# KiCad board mtr_led_system_map.kicad_pcb (continued)
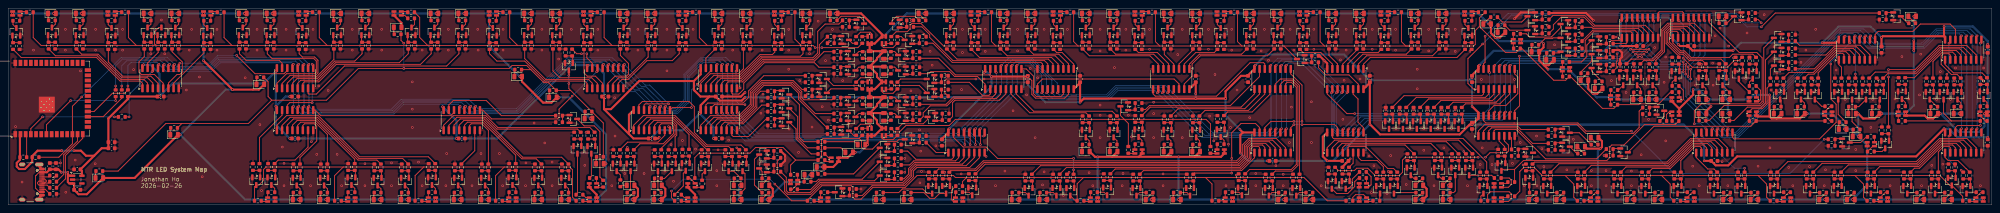
[diagram p0: board, top side]
## Routing (per net, layer and track width the routed paths; a pad name or vN(x,y) marks a point on that pad's centre or on a via; arc(x,y) is an arc through that point) (continued)
/S4/LED_4: length 2.1
  Top w0.2: R178.1 196.12,44.36 Q27.3
/S4/LED_5: length 8.2
  Top w0.2: R179.1 203.83,46.3 208.3,46.3 209.44,45.16 Q28.3
/S4/LED_6: length 2.1
  Top w0.2: Q29.3 206.56,39.67 207.5,39.67
/S4/LED_7: length 2.1
  Top w0.2: 209.1,37.62 208.16,37.62 Q25.3
/S4/LED_8: length 2.1
  Top w0.2: Q26.3 208.16,33.82 R182.1
/S5/LED 1/IN: length 29.5
  Top w0.2: R323.1 184.9,31.7 181.2,28 181.2,26.4 179.8,25 171.2,25 170.72,24.52 U7.15
/S5/LED 2/IN: length 34.1
  Top w0.2: U7.1 169.46,19.55 171.8,21.9 178.8,21.9 181.6,24.7 181.6,27.8 184.3,30.5 192.1,30.5 194.3,28.3 R321.1
/S5/LED 3/IN: length 41.6
  Top w0.2: R319.1 201.58,25.8 194.7,25.8 194.2,26.3 194.2,27.8 191.9,30.1 184.5,30.1 182,27.6 182,24.5 179,21.5 172.7,21.5 170.72,19.52 U7.2
/S5/LED 4/IN: length 41.3
  Top w0.2: R313.1 197.5,22.4 193.8,26.1 193.8,27.6 191.7,29.7 184.7,29.7 182.4,27.4 182.4,24.3 179.2,21.1 173.5,21.1 172,19.59 U7.3
/S5/LED 5/IN: length 39.4
  Top w0.2: U7.4 173.27,19.56 174.4,20.7 179.4,20.7 182.8,24.1 182.8,27.2 184.9,29.3 191.5,29.3 193.4,27.4 193.4,25.9 200.3,19 R315.1
/S5/LED 6/IN: length 17.8
  Top w0.2: U7.5 174.53,19.53 175.3,20.3 179.6,20.3 183.2,23.9 183.2,27 184.1,27.9 R317.1
/S5/LED 7/IN: length 13.3
  Top w0.2: R309.1 184.4,24.5 179.8,19.9 176.2,19.9 175.81,19.5 U7.6
/S5/LED 8/IN: length 11.9
  Top w0.2: R311.1 185.5,21.1 181.2,16.8 177.4,16.8 177.08,17.12 U7.7
/S5/LED_2: length 7.6
  Top w0.2: Q39.3 201.31,28.47 R185.1
/S5/LED_3: length 2.1
  Top w0.2: R190.1 208.16,26.32 Q38.3
/S5/LED_4: length 2.1
  Top w0.2: R191.1 208.16,22.42 Q35.3
/S5/LED_5: length 2.2
  Top w0.2: Q36.3 206.86,17.07 207.5,17.07
/S5/LED_6: length 16.6
  Top w0.2: Q37.3 193.6,24.64 193.6,16.6 194.7,15.5 R193.1
/S5/LED_7: length 14.1
  Top w0.2: R194.1 195.6,14 193.2,16.4 193.2,21.64 Q33.3
/S5/LED_8: length 11.7
  Top w0.2: Q34.3 192.8,18.64 192.8,16.2 196.5,12.5 R187.1
/S6/LED 1/IN: length 36.4
  Top w0.2: 180.5,13.52 179.33,14.7 171,14.7 167.9,17.8 167.9,24.1 166.6,25.4 155.2,25.4 154.33,24.52 U8.15
/S6/LED 2/IN: length 29.7
  Top w0.2: U8.1 153.06,19.55 155.4,21.9 163.2,21.9 170.8,14.3 176.33,14.3 177.1,13.52
/S6/LED 3/IN: length 22.3
  Top w0.2: U8.2 154.33,19.52 156.3,21.5 163,21.5 170.97,13.52 171.3,13.52
/S6/LED 4/IN: length 18.1
  Top w0.2: U8.3 155.59,19.49 157.2,21.1 162.8,21.1 166.6,17.3 166.6,13.62
/S6/LED 5/IN: length 15.2
  Top w0.2: 163.2,13.52 163.2,16.7 163.6,17.1 163.6,19.7 162.6,20.7 158,20.7 156.87,19.56 U8.4
/S6/LED 6/IN: length 14.3
  Top w0.2: 158.14,18.32 158.14,19.53 158.9,20.3 162.4,20.3 163.2,19.5 163.2,17.3 159.8,13.9 159.8,13.52
/S6/LED 7/IN: length 18.1
  Top w0.2: U8.6 159.41,19.5 159.8,19.9 162.2,19.9 162.8,19.3 162.8,17.5 160.3,15 154.58,15 153.1,13.52
/S6/LED 8/IN: length 13.7
  Top w0.2: 149.7,13.52 151.58,15.4 159,15.4 160.68,17.07 U8.7
/S6/LED_1: length 5.9
  Top w0.2: R156.1 180.3,3.97 180.3,7.66 Q48.3
/S6/LED_2: length 3.8
  Top w0.2: R157.1 177.56,8.26 Q47.3
/S6/LED_3: length 2.5
  Top w0.2: Q46.3 169.8,7.56 R151.1
/S6/LED_4: length 7
  Top w0.2: Q43.3 165.2,7.76 165.2,4.62 R152.1
/S6/LED_5: length 3.3
  Top w0.2: R160.1 160.64,6.5 Q44.3
/S6/LED_6: length 5.6
  Top w0.2: Q45.3 159,3.82 R161.1
/S6/LED_7: length 5.6
  Top w0.2: R162.1 152.3,3.82 Q41.3
/S6/LED_8: length 2.5
  Top w0.2: Q42.3 149.8,7.36 R163.1
/S7/DATA_IN: length 35.9
  Top w0.2: U10.9 75.12,23.27 76.5,21.9 108.3,21.9 109.09,22.69 U9.14
/S7/LED 1/IN: length 29.4
  Top w0.2: U9.15 107.83,24.52 108.9,25.6 117,25.6 120.7,21.9 R355.1
/S7/LED 2/IN: length 40.8
  Top w0.2: R353.1 142.33,19 119.8,19 116.9,21.9 108.9,21.9 106.56,19.55 U9.1
/S7/LED 3/IN: length 35.8
  Top w0.2: U9.2 107.83,19.52 109.8,21.5 116.7,21.5 119.6,18.6 139.33,18.6 R351.1
/S7/LED 4/IN: length 34.5
  Top w0.2: R345.1 135.43,11.7 125.9,11.7 116.5,21.1 110.6,21.1 109.09,19.59 U9.3
/S7/LED 5/IN: length 26.3
  Top w0.2: U9.4 110.37,19.56 111.5,20.7 116.3,20.7 125.7,11.3 129.22,11.3 R347.1
/S7/LED 6/IN: length 19.5
  Top w0.2: 124.2,10.12 124.2,12.2 116.1,20.3 112.4,20.3 111.64,19.53 111.64,18.32
/S7/LED 7/IN: length 14.9
  Top w0.2: U9.6 112.91,19.5 113.3,19.9 115.9,19.9 117.5,18.3 R341.1
/S7/LED 8/IN: length 9.7
  Top w0.2: R343.1 114.18,13.3 U9.7
/S7/LED_1: length 19.2
  Top w0.2: Q56.3 140.94,19.4 143.4,19.4 144.8,18 144.8,6.82 R91.1
/S7/LED_2: length 6.1
  Top w0.2: Q55.3 142.7,7.02 R99.1
/S7/LED_3: length 10.2
  Top w0.2: Q54.3 139.3,2.82 R92.1
/S7/LED_4: length 2.1
  Top w0.2: R101.1 137.12,3.94 Q51.3
/S7/LED_5: length 2.1
  Top w0.2: Q52.3 130.53,3.94 R102.1
/S7/LED_6: length 2.1
  Top w0.2: Q53.3 124.22,4.04 R93.1
/S7/LED_7: length 2.1
  Top w0.2: R104.1 117.53,3.94 Q49.3
/S7/LED_8: length 2.1
  Top w0.2: Q50.3 110.83,4.04 R105.1
/S8/LED 1/IN: length 15.4
  Top w0.2: 61.5,10.12 61.5,16.5 67.03,22.02 U10.15
/S8/LED 2/IN: length 45.8
  Top w0.2: 65.75,18.32 65.75,19.55 68.1,21.9 75.9,21.9 86,11.8 102.83,11.8 104.5,10.12
/S8/LED 3/IN: length 37.6
  Top w0.2: R367.1 96.53,11.4 85.8,11.4 75.7,21.5 69,21.5 67.03,19.52 U10.2
/S8/LED 4/IN: length 29.4
  Top w0.2: U10.3 68.29,19.59 69.8,21.1 75.5,21.1 85.6,11 90.22,11 R361.1
/S8/LED 5/IN: length 22
  Top w0.2: 84.8,10.12 84.8,11.2 75.3,20.7 70.7,20.7 69.56,19.56 U10.4
/S8/LED 6/IN: length 17.3
  Top w0.2: U10.5 70.84,19.53 71.6,20.3 75.1,20.3 78.1,17.3 R365.1
/S8/LED 7/IN: length 16
  Top w0.2: R357.1 71.4,11.6 75.5,15.7 75.5,19.3 74.9,19.9 72.5,19.9 72.1,19.5 U10.6
/S8/LED 8/IN: length 14
  Top w0.2: 65.2,10.12 66.07,11 70.2,11 73.38,14.17 U10.7
/S8/LED_2: length 2.1
  Top w0.2: Q63.3 104.53,4.04 R61.1
/S8/LED_3: length 2.1
  Top w0.2: Q62.3 97.93,3.94 R71.1
/S8/LED_4: length 2.1
  Top w0.2: R72.1 91.22,3.94 Q59.3
/S8/LED_5: length 2.1
  Top w0.2: R62.1 84.82,4.04 Q60.3
/S8/LED_6: length 2.1
  Top w0.2: 78.12,3 78.12,3.94 Q61.3
/S8/LED_7: length 2.1
  Top w0.2: Q57.3 71.43,3.94 R75.1
/S8/LED_8: length 2.1
  Top w0.2: R63.1 65.22,4.04 Q58.3
/S9/LED 1/IN: length 9.6
  Top w0.2: v1(474.9,16.9) 475.22,17.22 U11.15 ; R387.1 v1(476.4,9.5)
  Bottom w0.2: v1(474.9,16.9) 474.9,11 v1(476.4,9.5)
/S9/LED 2/IN: length 8.7
  Top w0.2: R385.1 479.12,8.9 479.1,8.9 477.1,10.9 474.7,10.9 473.95,11.64 U11.1
/S9/LED 3/IN: length 9.8
  Top w0.2: U11.2 475.22,14.07 475,14.3 473.6,14.3 472.3,13 R383.1
/S9/LED 4/IN: length 15.2
  Top w0.2: R377.1 466.47,9 467.7,9 473.4,14.7 475.8,14.7 476.5,14 U11.3
/S9/LED 5/IN: length 25.7
  Top w0.2: R379.1 457.97,9.4 467.5,9.4 473.2,15.1 476.7,15.1 477.76,14.03 U11.4
/S9/LED 6/IN: length 35.5
  Top w0.2: U11.5 479.03,14.06 477.6,15.5 473,15.5 467.3,9.8 450.27,9.8 R381.1
/S9/LED 7/IN: length 43.9
  Top w0.2: R373.1 443.88,10.2 467.1,10.2 472.8,15.9 478.5,15.9 480.3,14.09 U11.6
/S9/LED 8/IN: length 54.2
  Top w0.2: R375.1 435.47,10.6 466.9,10.6 472.6,16.3 479.3,16.3 481.57,14.02 U11.7
/S9/LED_2: length 2.5
  Top w0.2: R96.1 479.54,3.1 Q71.3
/S9/LED_3: length 2.5
  Top w0.2: Q70.3 471.74,3 R115.1
/S9/LED_4: length 2.5
  Top w0.2: R116.1 464.94,3 Q67.3
/S9/LED_5: length 2.5
  Top w0.2: Q68.3 456.14,3.1 R97.1
/S9/LED_6: length 2.5
  Top w0.2: Q69.3 447.94,3 R118.1
/S9/LED_7: length 2.5
  Top w0.2: Q65.3 441.14,3 R119.1
/S9/LED_8: length 2.5
  Top w0.2: Q66.3 432.44,3.1 R98.1
/S10/DATA_OUT: length 51.3
  Top w0.2: v1(450.7,39.8) 450.5,40 U25.14 ; U13.9 421.94,16.55 422.3,16.2 443.25,16.2 447.3,20.25 447.3,24.7 446,26 v1(446,34.6)
  Bottom w0.2: v1(446,34.6) 446,35.1 v1(450.7,39.8)
/S10/LED 1/IN: length 15.6
  Top w0.2: v1(414.5,16.9) 414.32,17.07 U13.15 ; R419.1 v1(424.9,9)
  Bottom w0.2: v1(424.9,9) 422.4,9 v1(414.5,16.9)
/S10/LED 2/IN: length 7.8
  Top w0.2: U13.1 413.05,11.64 415.9,8.8 417.42,8.8 R417.1
/S10/LED 3/IN: length 10.6
  Top w0.2: R415.1 409.3,10.9 412.7,14.3 414,14.3 414.32,13.97 U13.2
/S10/LED 4/IN: length 18.4
  Top w0.2: U13.3 415.59,14 414.9,14.7 412.5,14.7 406.7,8.9 402.3,8.9 401.42,8.02 R409.1
/S10/LED 5/IN: length 26.8
  Top w0.2: 416.86,12.82 416.86,14.03 415.8,15.1 412.3,15.1 406.5,9.3 395.88,9.3 R411.1
/S10/LED 6/IN: length 37.4
  Top w0.2: R413.1 387.38,9.7 406.3,9.7 412.1,15.5 416.7,15.5 418.13,14.06 U13.5
/S10/LED 7/IN: length 47.3
  Top w0.2: R405.1 379.47,10.1 406.1,10.1 411.9,15.9 417.6,15.9 419.4,14.09 U13.6
/S10/LED 8/IN: length 52.4
  Top w0.2: U13.7 420.67,14.02 418.4,16.3 411.7,16.3 405.9,10.5 373.47,10.5 R407.1
/S10/LED_1: length 2.5
  Top w0.2: Q88.3 424.34,3 R23.1
/S10/LED_2: length 2.5
  Top w0.2: Q87.3 417.64,3 R24.1
/S10/LED_3: length 2.5
  Top w0.2: Q86.3 408.84,3.1 R7.1
/S10/LED_4: length 2.5
  Top w0.2: Q83.3 400.84,3 R26.1
/S10/LED_5: length 2.5
  Top w0.2: Q84.3 394.04,3 R27.1
/S10/LED_6: length 2.5
  Top w0.2: Q85.3 385.24,3.1 R8.1
/S10/LED_7: length 2.5
  Top w0.2: R29.1 376.84,3 Q81.3
/S10/LED_8: length 1.8
  Top w0.2: R30.1 372.27,4.69 Q82.3
/S11/DATA_IN: length 14.5
  Top w0.2: v1(316.6,19.7) 324.6,19.7 325.29,19 U14.14 ; U15.9 313.84,18.94 v1(314.6,19.7)
  Bottom w0.2: v1(314.6,19.7) v1(316.6,19.7)
/S11/DATA_OUT: length 11.7
  Top w0.2: U19.14 329.1,27.19 330.3,26 330.3,20.3 331.64,18.95 U14.9
/S11/LED 1/IN: length 44
  Top w0.2: U14.15 324.02,16.57 324.3,16.3 356,16.3 361.8,10.5 R435.1
/S11/LED 2/IN: length 38.9
  Top w0.2: U14.1 322.75,14.05 324.6,15.9 354.92,15.9 358.3,12.52
/S11/LED 3/IN: length 33.9
  Top w0.2: 354.9,12.52 351.92,15.5 325.5,15.5 324.02,14.02 U14.2
/S11/LED 4/IN: length 28.1
  Top w0.2: U14.3 325.29,13.99 326.4,15.1 348.12,15.1 350.7,12.52
/S11/LED 5/IN: length 19.8
  Top w0.2: 344,12.52 341.82,14.7 327.2,14.7 326.56,14.06 U14.4
/S11/LED 6/IN: length 16
  Top w0.2: R429.1 339.02,8.9 337.6,8.9 332.2,14.3 328.1,14.3 327.83,14.03 U14.5
/S11/LED 7/IN: length 4
  Top w0.2: R421.1 329.1,10.23 U14.6
/S11/LED 8/IN: length 9.6
  Top w0.2: R423.1 336.5,9.4 335,10.9 331.1,10.9 330.38,11.62 U14.7
/S11/LED_1: length 2
  Top w0.2: Q96.3 360.38,2.14 R124.1
/S11/LED_2: length 6.4
  Top w0.2: R125.1 363.01,7.26 Q95.3
/S11/LED_3: length 5.3
  Top w0.2: Q94.3 354.1,3.4 353.7,3 R137.1
/S11/LED_4: length 1.6
  Top w0.2: R138.1 350.66,6.5 Q91.3
/S11/LED_5: length 1.6
  Top w0.2: Q92.3 343.96,6.5 R139.1
/S11/LED_6: length 5.5
  Top w0.2: R140.1 339.34,3 Q93.3
/S11/LED_7: length 5.9
  Top w0.2: R126.1 328.9,6.32 328.9,4.9 327.96,3.96 Q89.3
/S11/LED_8: length 1.8
  Top w0.2: R127.1 335.62,2.69 Q90.3
/S12/DATA_IN: length 25
  Top w0.2: v1(316.6,20.5) 316.6,29.4 313.84,32.15 U23.9 ; U15.14 307.5,18.99 309,20.5 v1(314.6,20.5)
  Bottom w0.2: v1(314.6,20.5) v1(316.6,20.5)
/S12/LED 1/IN: length 28.8
  Top w0.2: v1(299.4,11.4) 299.4,17.7 301.7,20 305.2,20 306.22,18.97 U15.15 ; R451.1 290.27,7.8 v1(299.4,7.8)
  Bottom w0.2: v1(299.4,11.4) v1(299.4,7.8)
/S12/LED 2/IN: length 31
  Top w0.2: U15.1 304.95,11.55 301.8,8.4 277.77,8.4 R449.1
/S12/LED 3/IN: length 42.1
  Top w0.2: R447.1 270.88,8.8 301.6,8.8 304.1,11.3 304.1,13.8 304.6,14.3 306,14.3 306.22,14.07 U15.2
/S12/LED 4/IN: length 56.2
  Top w0.2: R441.1 258.97,9.2 301.4,9.2 303.7,11.5 303.7,14 304.4,14.7 306.9,14.7 307.5,14.1 U15.3
/S12/LED 5/IN: length 64.5
  Top w0.2: U15.4 308.76,14.03 307.7,15.1 304.2,15.1 303.3,14.2 303.3,11.7 301.2,9.6 252.58,9.6 R443.1
/S12/LED 6/IN: length 79.9
  Top w0.2: U15.5 310.03,14.06 308.6,15.5 304,15.5 302.9,14.4 302.9,11.9 301,10 239.08,10 R445.1
/S12/LED 7/IN: length 87.7
  Top w0.2: U15.6 311.3,13.99 309.4,15.9 303.8,15.9 302.5,14.6 302.5,12.1 300.8,10.4 238.8,10.4 236.8,8.4 230.67,8.4 R437.1
/S12/LED 8/IN: length 92.7
  Top w0.2: U15.7 312.57,14.02 310.3,16.3 303.6,16.3 302.1,14.8 302.1,12.3 300.6,10.8 238.6,10.8 236.6,8.8 227.68,8.8 R439.1
/S12/LED_1: length 2.7
  Top w0.2: Q104.3 288.46,3 R106.1
/S12/LED_2: length 2.7
  Top w0.2: R107.1 276.84,3 Q103.3
/S12/LED_3: length 2.7
  Top w0.2: Q102.3 268.16,3.1 R94.1
/S12/LED_4: length 2.7
  Top w0.2: Q99.3 255.76,3 R109.1
/S12/LED_5: length 2.7
  Top w0.2: R110.1 248.96,3 Q100.3
/S12/LED_6: length 2.7
  Top w0.2: R95.1 235.16,3.1 Q101.3
/S12/LED_7: length 9.6
  Top w0.2: Q97.3 227.86,2.76 226.7,1.6 225.5,1.6 224.1,3 R112.1
/S12/LED_8: length 12.8
  Top w0.2: Q98.3 224.94,2.76 223.8,3.9 218.8,3.9 217.9,3 R113.1
/S13/DATA_IN: length 57.2
  Top w0.2: U7.9 178.34,22.65 v1(178.5,22.5) ; U16.14 232.59,17.69 v1(232.4,17.5)
  Bottom w0.2: v1(232.4,17.5) 183.5,17.5 v1(178.5,22.5)
/S13/DATA_OUT: length 25.4
  Top w0.2: U22.14 241.59,32.7 v1(241.8,32.5) ; v1(238.7,16.9) 238.95,17.14 U16.9
  Bottom w0.2: v1(238.7,16.9) 236.4,16.9 235.2,18.1 233.8,18.1 233.4,18.5 233.4,19 241.8,27.4 v1(241.8,32.5)
/S13/LED 1/IN: length 36.6
  Top w0.2: R467.1 v1(260.7,8.6) ; v1(260.7,11.4) 242.1,11.4 239.3,14.2 233.7,14.2 231.33,16.57 U16.15
  Bottom w0.2: v1(260.7,8.6) v1(260.7,11.4)
/S13/LED 2/IN: length 6.5
  Top w0.2: R465.1 227.1,12.82 230.05,12.82
/S13/LED 3/IN: length 15
  Top w0.2: R463.1 220.1,13.2 222.1,11.2 230.9,11.2 231.33,11.62 U16.2
/S13/LED 4/IN: length 16
  Top w0.2: U16.3 232.59,11.59 231.8,10.8 221.6,10.8 220.6,9.8 R457.1
/S13/LED 5/IN: length 19.6
  Top w0.2: R459.1 219.2,6.4 220.3,7.5 220.3,8.9 221.8,10.4 232.7,10.4 233.86,11.56 233.86,12.82
/S13/LED 6/IN: length 55.7
  Top w0.2: R461.1 190.4,6.77 190.4,3.5 190.9,3 196.2,3 198.7,5.5 218.9,5.5 220.7,7.3 220.7,8.7 222,10 233.5,10 235.14,11.63 U16.5
/S13/LED 7/IN: length 61.8
  Top w0.2: R453.1 188.2,10.72 188.2,7.7 190,5.9 190,3.3 190.7,2.6 196.4,2.6 198.9,5.1 219.1,5.1 221.1,7.1 221.1,8.5 222.2,9.6 234.4,9.6 236.41,11.6 U16.6
/S13/LED 8/IN: length 36.1
  Top w0.2: U16.7 237.67,11.57 235.3,9.2 222.4,9.2 221.5,8.3 221.5,6.9 219.3,4.7 211.4,4.7 209,2.3 R455.1
/S13/LED_3: length 16.1
  Top w0.2: R205.1 206.86,7.6 Q110.3
/S13/LED_4: length 18.9
  Top w0.2: Q107.3 208.96,6.3 198.3,6.3 197.7,5.7 R206.1
/S13/LED_5: length 21.5
  Top w0.2: R201.1 196.4,3.8 198.5,5.9 211.96,5.9 Q108.3
/S13/LED_6: length 2.7
  Top w0.2: R208.1 184.47,8.24 Q109.3
/S13/LED_7: length 10.6
  Top w0.2: Q105.3 182.6,11.19 182.6,4.88 R209.1
/S13/LED_8: length 1.7
  Top w0.2: R202.1 Q106.3
/S14/DATA_IN: length 8.7
  Top w0.2: U17.14 409.89,47.2 409.7,47.4 404,47.4 403.75,47.14 U18.9
/S14/LED 1/IN: length 26.8
  Top w0.2: v1(409.9,36) 412.1,33.8 420.7,33.8 422.3,35.4 423.47,35.4 R483.1 ; U17.15 408.62,45.47 v1(408.9,45.2)
  Bottom w0.2: v1(409.9,36) 409.9,44.2 v1(408.9,45.2)
/S14/LED 2/IN: length 23.7
  Top w0.2: U17.1 407.35,39.74 409.3,37.8 410.2,37.8 411.8,36.2 421.2,36.2 422,37 426.92,37 R481.1
/S14/LED 3/IN: length 21.8
  Top w0.2: U17.2 408.62,42.27 408.3,42.6 407.1,42.6 406.5,42 406.5,40 409.1,37.4 410,37.4 411.6,35.8 419.12,35.8 420.3,34.62
/S14/LED 4/IN: length 19.5
  Top w0.2: 415.4,34.62 414.62,35.4 411.4,35.4 409.8,37 408.9,37 406.1,39.8 406.1,42.2 406.9,43 409.1,43 409.89,42.2 U17.3
/S14/LED 5/IN: length 15
  Top w0.2: R475.1 408.8,36.5 405.7,39.6 405.7,42.4 406.7,43.4 410,43.4 411.16,42.23 U17.4
/S14/LED 6/IN: length 18.4
  Top w0.2: 412.44,41.02 412.44,42.26 410.9,43.8 406.5,43.8 405.3,42.6 405.3,37.6 403.2,35.5 403.2,34.62
/S14/LED 7/IN: length 23.2
  Top w0.2: 399.4,34.62 400.17,35.4 402.5,35.4 404.9,37.8 404.9,42.8 406.3,44.2 411.7,44.2 413.7,42.19 U17.6
/S14/LED 8/IN: length 28.2
  Top w0.2: 396,34.62 397.17,35.8 402.3,35.8 404.5,38 404.5,43 406.1,44.6 412.6,44.6 414.97,42.22 U17.7
/S14/LED_2: length 2.1
  Top w0.2: R226.1 426.07,30.14 Q119.3
/S14/LED_3: length 2.5
  Top w0.2: Q118.3 421.22,27.64 R239.1
/S14/LED_4: length 2.1
  Top w0.2: Q115.3 415.42,28.54 R240.1
/S14/LED_5: length 2.1
  Top w0.2: Q116.3 407.17,30.14 R227.1
/S14/LED_6: length 2.1
  Top w0.2: R242.1 403.22,28.54 Q117.3
/S14/LED_7: length 2.1
  Top w0.2: Q113.3 399.42,28.54 R243.1
/S14/LED_8: length 1.9
  Top w0.2: R228.1 394.04,28.2 Q114.3
/S15/DATA_IN: length 50.6
  Top w0.2: U26.9 368.64,23.14 369.8,24.3 v1(369.8,36.5) ; U18.14 397.39,45.3 v1(397.6,45.1)
  Bottom w0.2: v1(397.6,45.1) 397.6,39.7 394.4,36.5 v1(369.8,36.5)
/S15/LED 1/IN: length 14.6
  Top w0.2: v1(393.7,37.1) 393.7,35.3 393.5,35.1 393.5,33.57 R499.1 ; v1(395.9,45.1) 396.12,45.32 U18.15
  Bottom w0.2: v1(395.9,45.1) 395.9,39.3 v1(393.7,37.1)
/S15/LED 2/IN: length 7.5
  Top w0.2: R497.1 391.9,37.02 391.9,40 392.3,40.4 394.23,40.4 U18.1
/S15/LED 3/IN: length 4.7
  Top w0.2: R495.1 395.9,39.6 396.12,39.82 U18.2
/S15/LED 4/IN: length 17.6
  Top w0.2: U18.3 397.39,42.2 397.1,42.5 388,42.5 385.9,40.4 385.9,37.57 R489.1
/S15/LED 5/IN: length 16.2
  Top w0.2: R491.1 385.12,40.22 387.8,42.9 398,42.9 398.66,42.23 U18.4
/S15/LED 6/IN: length 16.6
  Top w0.2: 399.94,41.02 399.94,42.26 398.9,43.3 387.8,43.3 387.5,43.6 R493.1
/S15/LED 7/IN: length 29.2
  Top w0.2: U18.6 401.2,42.19 399.7,43.7 388,43.7 385.6,46.1 380,46.1 378.1,44.2 378.1,43.17 R485.1
/S15/LED 8/IN: length 28.8
  Top w0.2: U18.7 402.47,42.22 400.6,44.1 388.2,44.1 385.8,46.5 378.02,46.5 R487.1
/S15/LED_1: length 4.4
  Top w0.2: R211.1 387.46,32.86 Q128.3
/S15/LED_2: length 5.8
  Top w0.2: R212.1 384.88,32.67 387.46,35.26 Q127.3
/S15/LED_3: length 9.3
  Top w0.2: Q126.3 386.3,39.24 386.3,36.4 385,35.1 R203.1
/S15/LED_4: length 1.9
  Top w0.2: Q123.3 379.56,37.3 R214.1
/S15/LED_5: length 6
  Top w0.2: Q124.3 378,41 377.8,40.8 376.02,40.8 R215.1
/S15/LED_6: length 12
  Top w0.2: R204.1 371.5,42 372.3,41.2 377.6,41.2 379.86,43.46 Q125.3
/S15/LED_7: length 6
  Top w0.2: Q121.3 367.42,42.9 R217.1
/S15/LED_8: length 8.4
  Top w0.2: Q122.3 370.36,44.9 365.62,44.9 R218.1
/S16/DATA_OUT: length 53.2
  Top w0.2: v1(362.5,32.5) 362.29,32.7 U12.14 ; U19.9 322.75,27.24 327.6,22.4 v1(329.5,22.4)
  Bottom w0.2: v1(362.5,32.5) 362.5,23.8 361.1,22.4 v1(329.5,22.4)
/S16/LED 1/IN: length 14
  Top w0.2: U19.15 330.38,29.62 328.1,31.9 322.4,31.9 320.62,33.67 R515.1
/S16/LED 2/IN: length 27.5
  Top w0.2: U19.1 331.64,34.54 333.3,36.2 354.52,36.2 356.5,38.17
/S16/LED 3/IN: length 22.6
  Top w0.2: R511.1 348.52,36.6 332.4,36.6 330.38,34.57 U19.2
/S16/LED 4/IN: length 17
  Top w0.2: R505.1 342.12,37 331.5,37 329.1,34.6 U19.3
/S16/LED 5/IN: length 10.9
  Top w0.2: 336,38.17 335.22,37.4 330.6,37.4 327.83,34.63 U19.4
/S16/LED 6/IN: length 6.3
  Top w0.2: R509.1 330,38 326.56,34.56 U19.5
/S16/LED 7/IN: length 5.8
  Top w0.2: U19.6 325.29,34.6 323.2,36.7 R501.1
/S16/LED 8/IN: length 10.6
  Top w0.2: 316.1,38.17 316.88,37.4 321.2,37.4 324.02,34.57 U19.7
/S16/LED_2: length 2.1
  Top w0.2: Q135.3 356.47,44.26 R153.1
/S16/LED_3: length 2.1
  Top w0.2: Q134.3 351.82,44.36 R165.1
/S16/LED_4: length 2.1
  Top w0.2: R166.1 345.02,44.36 Q131.3
/S16/LED_5: length 2.1
  Top w0.2: R154.1 335.97,44.26 Q132.3
/S16/LED_6: length 2.1
  Top w0.2: Q133.3 331.62,44.36 R168.1
/S16/LED_7: length 2.1
  Top w0.2: Q129.3 324.82,44.36 R169.1
/S16/LED_8: length 2.1
  Top w0.2: R155.1 316.07,44.26 Q130.3
/S17/DATA_IN: length 38.2
  Top w0.2: U21.9 251.85,29.65 253.1,30.9 285.3,30.9 286.5,29.69 U20.14
/S17/DATA_OUT: length 33.5
  Top w0.2: U20.9 280.15,27.24 280.7,26.7 295.7,26.7 303.9,34.9 307.2,34.9 307.5,34.6 U23.14
/S17/LED 1/IN: length 28.6
  Top w0.2: U20.15 287.77,29.67 289.7,31.6 289.7,34.6 291.7,36.6 308.12,36.6 R531.1
/S17/LED 2/IN: length 16.8
  Top w0.2: R529.1 301.82,37 291.5,37 289.04,34.54 U20.1
/S17/LED 3/IN: length 10.8
  Top w0.2: 295.9,38.17 295.12,37.4 290.6,37.4 287.77,34.57 U20.2
/S17/LED 4/IN: length 6.3
  Top w0.2: U20.3 286.5,34.6 289.9,38 R521.1
/S17/LED 5/IN: length 5.9
  Top w0.2: R523.1 282.9,36.9 285.23,34.56 U20.4
/S17/LED 6/IN: length 10.9
  Top w0.2: 275.8,38.17 276.57,37.4 281.2,37.4 283.96,34.63 U20.5
/S17/LED 7/IN: length 15.7
  Top w0.2: R517.1 270.97,37 280.3,37 282.69,34.6 U20.6
/S17/LED 8/IN: length 21.3
  Top w0.2: U20.7 281.42,34.57 279.4,36.6 264.57,36.6 R519.1
/S17/LED_1: length 2.1
  Top w0.2: Q144.3 311.42,44.36 R45.1
/S17/LED_2: length 2.1
  Top w0.2: R46.1 304.72,44.36 Q143.3
/S17/LED_3: length 2.1
  Top w0.2: Q142.3 295.88,44.26 R33.1
/S17/LED_4: length 2.1
  Top w0.2: R48.1 291.52,44.36 Q139.3
/S17/LED_5: length 2.1
  Top w0.2: Q140.3 284.52,44.36 R49.1
/S17/LED_6: length 2.1
  Top w0.2: R34.1 275.77,44.26 Q141.3
/S17/LED_7: length 2.1
  Top w0.2: Q137.3 271.32,44.36 R51.1
/S17/LED_8: length 2.1
  Top w0.2: Q138.3 264.52,44.36 R52.1
/S18/LED 1/IN: length 40.2
  Top w0.2: v1(236.8,30.9) 229.6,30.9 229.2,30.5 229.2,27.52 R547.1 ; U21.15 259.47,27.17 258.5,26.2 251.4,26.2 250.5,27.1 250.5,30.5 250.1,30.9 v1(238.8,30.9)
  Bottom w0.2: v1(238.8,30.9) v1(236.8,30.9)
/S18/LED 2/IN: length 7.6
  Top w0.2: U21.1 260.75,34.55 257.9,37.4 256.57,37.4 255.8,38.17
/S18/LED 3/IN: length 12.6
  Top w0.2: R543.1 250.88,37 257.1,37 259.47,34.62 U21.2
/S18/LED 4/IN: length 18.1
  Top w0.2: R537.1 244.47,36.6 256.2,36.6 258.2,34.59 U21.3
/S18/LED 5/IN: length 23.9
  Top w0.2: 256.94,33.37 256.94,34.56 255.3,36.2 237.67,36.2 235.7,38.17
/S18/LED 6/IN: length 28.7
  Top w0.2: U21.5 255.66,34.63 254.5,35.8 232.17,35.8 R541.1
/S18/LED 7/IN: length 38.3
  Top w0.2: U21.6 254.4,34.6 253.6,35.4 231.2,35.4 225.5,41.1 225.5,41.8 223.6,43.7 R533.1
/S18/LED 8/IN: length 31.8
  Top w0.2: R535.1 226.3,39.7 231,35 252.7,35 253.13,34.57 U21.7
/S18/LED_2: length 2.1
  Top w0.2: Q151.3 255.78,44.26 R4.1
/S18/LED_3: length 2.1
  Top w0.2: R17.1 251.22,44.36 Q150.3
/S18/LED_4: length 2.1
  Top w0.2: R18.1 244.42,44.36 Q147.3
/S18/LED_5: length 2.1
  Top w0.2: R5.1 235.67,44.26 Q148.3
/S18/LED_6: length 2.1
  Top w0.2: Q149.3 231.33,44.36 R20.1
/S18/LED_7: length 8.2
  Top w0.2: R21.1 221.88,46.3 217.4,46.3 216.26,45.16 Q145.3
/S18/LED_8: length 2.1
  Top w0.2: R6.1 218.54,41.32 Q146.3
/S19/LED 1/IN: length 20.3
  Top w0.2: R563.1 227.7,36 231.8,31.9 240.1,31.9 240.33,32.12 U22.15
/S19/LED 2/IN: length 18.7
  Top w0.2: U22.1 239.05,29.64 237.2,31.5 231.6,31.5 230.4,32.7 225.8,32.7 225.3,32.2 R561.1
/S19/LED 3/IN: length 13
  Top w0.2: R559.1 235.2,30.1 238.4,26.9 240,26.9 240.33,27.22 U22.2
/S19/LED 4/IN: length 20.8
  Top w0.2: U22.3 241.59,27.19 240.9,26.5 231.3,26.5 229.5,24.7 R553.1
/S19/LED 5/IN: length 24.3
  Top w0.2: 242.86,28.42 242.86,27.16 241.8,26.1 231.5,26.1 229.7,24.3 225.6,24.3 223.9,22.6 223.9,21.67 R555.1
/S19/LED 6/IN: length 19.8
  Top w0.2: R557.1 231.1,21.67 231.1,25.1 231.7,25.7 242.6,25.7 244.14,27.23 U22.5
/S19/LED 7/IN: length 22.5
  Top w0.2: R549.1 263.72,22.6 250,22.6 245.41,27.19 U22.6
/S19/LED 8/IN: length 28.1
  Top w0.2: R551.1 270.12,23 250.9,23 246.67,27.22 U22.7
/S19/LED_1: length 2.1
  Top w0.2: Q160.3 216.94,37.62 216,37.62
/S19/LED_2: length 2.1
  Top w0.2: Q159.3 216.94,33.82 R231.1
/S19/LED_3: length 7.5
  Top w0.2: Q158.3 218.38,30.9 217.6,30.12
/S19/LED_4: length 2.1
  Top w0.2: R233.1 216.94,26.32 Q155.3
/S19/LED_5: length 2.1
  Top w0.2: Q156.3 216.94,22.42 R234.1
/S19/LED_6: length 8.9
  Top w0.2: R225.1 218.78,19.9 223.9,19.9 224.96,20.96 Q157.3
/S19/LED_7: length 2.1
  Top w0.2: Q153.3 264.52,15.74 R236.1
/S19/LED_8: length 2.1
  Top w0.2: R237.1 271.32,15.74 Q154.3
/S20/LED 1/IN: length 34
  Top w0.2: R579.1 278.3,23.4 279.3,24.4 299.1,24.4 306.22,31.52 U23.15
/S20/LED 2/IN: length 30.9
  Top w0.2: U23.1 304.95,27.25 301.7,24 279.47,24 R577.1
/S20/LED 3/IN: length 25.2
  Top w0.2: R575.1 286.27,23.6 302.6,23.6 306.22,27.22 U23.2
/S20/LED 4/IN: length 19.4
  Top w0.2: R569.1 292.88,23.2 303.5,23.2 307.5,27.19 U23.3
/S20/LED 5/IN: length 14.7
  Top w0.2: R571.1 298.38,22.8 304.4,22.8 308.76,27.16 U23.4
/S20/LED 6/IN: length 30.1
  Top w0.2: R573.1 316,29.3 314.4,30.9 311.3,30.9 310.03,29.63 U23.5
/S20/LED 7/IN: length 33
  Top w0.2: U23.6 311.3,29.6 312.2,30.5 314.2,30.5 315.6,29.1 315.6,9.7 314.2,8.3 310.07,8.3 R565.1
/S20/LED 8/IN: length 37
  Top w0.2: R567.1 303.77,8.7 314,8.7 315.2,9.9 315.2,28.9 314,30.1 313,30.1 312.57,29.67 U23.7
/S20/LED_2: length 2.1
  Top w0.2: R64.1 277.42,15.84 Q167.3
/S20/LED_3: length 2.1
  Top w0.2: Q166.3 284.52,15.74 R78.1
/S20/LED_4: length 2.1
  Top w0.2: Q163.3 291.52,15.74 R79.1
/S20/LED_5: length 2.1
  Top w0.2: R65.1 297.52,15.84 Q164.3
/S20/LED_6: length 2.7
  Top w0.2: Q165.3 315.94,3 R81.1
/S20/LED_7: length 2.7
  Top w0.2: Q161.3 309.24,3 R82.1
/S20/LED_8: length 2.7
  Top w0.2: Q162.3 301.16,3.1 R66.1
/S21/DATA_IN: length 25
  Top w0.2: U25.9 456.84,41.84 457.6,42.6 466.1,42.6 467.9,44.4 475.2,44.4 476.5,43.1 U24.14
/S21/DATA_OUT: length 28.7
  Top w0.2: v1(482.6,19.5) 477,19.5 476.5,18.99 U11.14 ; U24.9 482.84,39.94 v1(482.6,39.7)
  Bottom w0.2: v1(482.6,39.7) v1(482.6,19.5)
/S21/LED 1/IN: length 9.8
  Top w0.2: v1(474.9,39.7) 475.22,40.02 U24.15 ; 474.4,31.12 v1(474.4,32.1)
  Bottom w0.2: v1(474.9,39.7) 474.9,32.6 v1(474.4,32.1)
/S21/LED 2/IN: length 12.8
  Top w0.2: U24.1 473.95,34.44 476,32.4 483.02,32.4 R593.1
/S21/LED 3/IN: length 12
  Top w0.2: 477.8,31.12 476.92,32 475.5,32 473,34.5 473,36.6 473.5,37.1 474.9,37.1 475.22,36.77 U24.2
/S21/LED 4/IN: length 12
  Top w0.2: 471,31.12 471,35.2 473.3,37.5 475.8,37.5 476.5,36.8 U24.3
/S21/LED 5/IN: length 18
  Top w0.2: R587.1 466.42,31.22 473.1,37.9 476.7,37.9 477.76,36.83 U24.4
/S21/LED 6/IN: length 25
  Top w0.2: 458.8,31.12 459.88,32.2 466.8,32.2 472.9,38.3 477.6,38.3 479.03,36.86 U24.5
/S21/LED 7/IN: length 30
  Top w0.2: 455.4,31.12 456.88,32.6 466.6,32.6 472.7,38.7 478.4,38.7 480.3,36.79 U24.6
/S21/LED 8/IN: length 40.5
  Top w0.2: v1(460.1,31.4) 460.1,30.8 460.1,31 460.1,19.12 ; v1(460.1,33.2) 466.6,33.2 472.5,39.1 479.3,39.1 481.57,36.82 U24.7
  Bottom w0.2: v1(460.1,31.4) v1(460.1,33.2)
/S21/LED_2: length 2.1
  Top w0.2: Q175.3 484.22,25.14 R67.1
